# Altium PCB TempdevAmmy0803.PcbDoc (part 1 of 4) (continued)
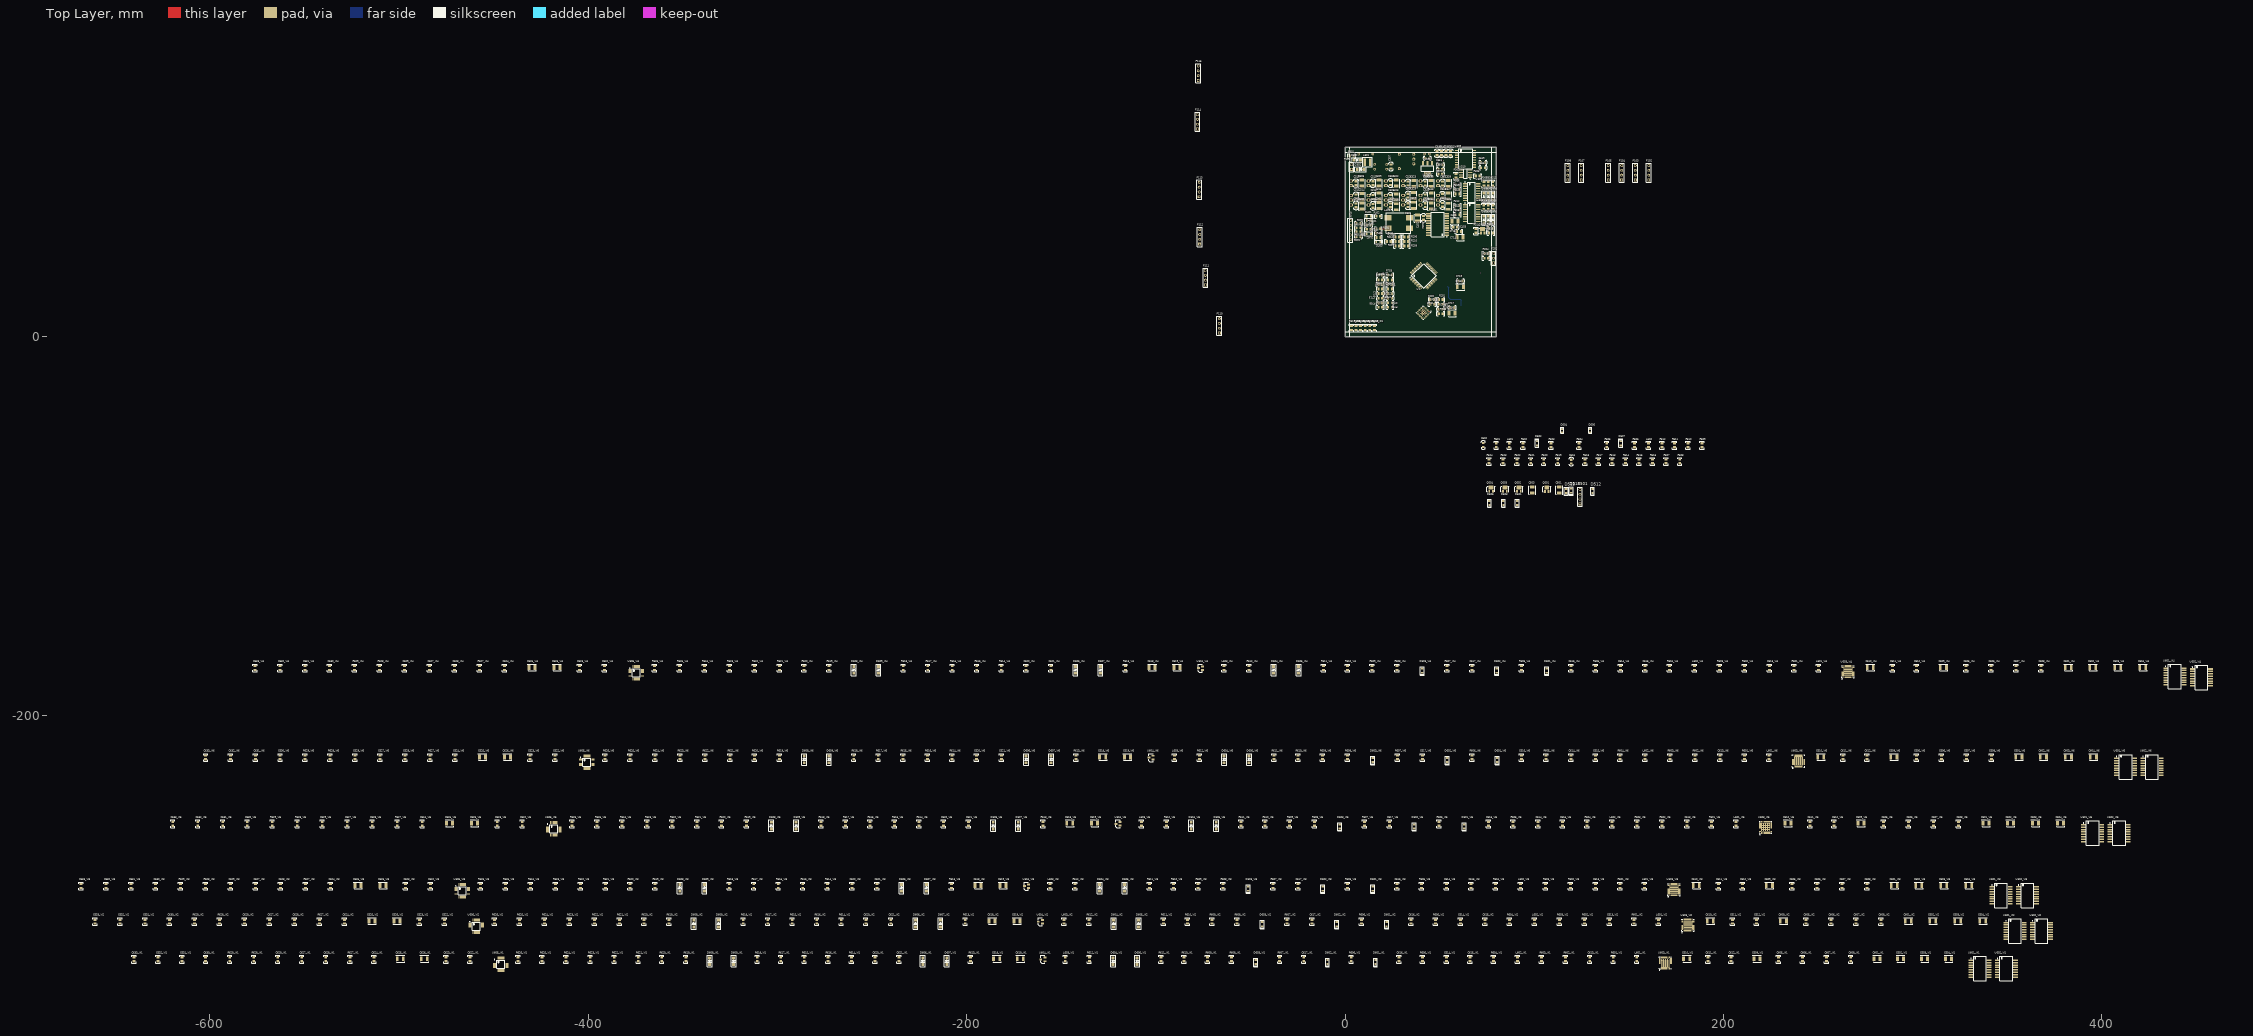
[diagram p0: Top Layer view]
## Components (designator, comment, footprint, x,y, rotation, side; value= is the part's Value field where it differs from the comment) (continued)
C609_VI1 "T494B476K025ATAUTO" CB 216.027,-328.803 r90 top value=47uF (schematic designator C609)
C609_VI2 "T494B476K025ATAUTO" CB 229.997,-308.864 r90 top value=47uF (schematic designator C609)
C609_VI3 "T494B476K025ATAUTO" CB 222.606,-290.068 r90 top value=47uF (schematic designator C609)
C609_VI4 "T494B476K025ATAUTO" CB 314.554,-174.879 r90 top value=47uF (schematic designator C609)
C609_VI5 "T494B476K025ATAUTO" CB 271.018,-257.175 r90 top value=47uF (schematic designator C609)
C609_VI6 "T494B476K025ATAUTO" CB 288.417,-222.123 r90 top value=47uF (schematic designator C609)
C610_VI1 "T494B476K025ATAUTO" CB 178.943,-328.803 r90 top value=47uF (schematic designator C610)
C610_VI2 "T494B476K025ATAUTO" CB 191.389,-308.864 r90 top value=47uF (schematic designator C610)
C610_VI3 "T494B476K025ATAUTO" CB 183.998,-290.068 r90 top value=47uF (schematic designator C610)
C610_VI4 "T494B476K025ATAUTO" CB 275.946,-174.879 r90 top value=47uF (schematic designator C610)
C610_VI5 "T494B476K025ATAUTO" CB 232.41,-257.175 r90 top value=47uF (schematic designator C610)
C610_VI6 "T494B476K025ATAUTO" CB 249.809,-222.123 r90 top value=47uF (schematic designator C610)
C611_VI1 "CC0805MRX7R9BB104" 0805c#2 191.77,-330.073 r90 top value=0.1uF (schematic designator C611)
C611_VI2 "CC0805MRX7R9BB104" 0805c#2 204.724,-310.134 r90 top value=0.1uF (schematic designator C611)
C611_VI3 "CC0805MRX7R9BB104" 0805c#2 197.333,-291.338 r90 top value=0.1uF (schematic designator C611)
C611_VI4 "CC0805MRX7R9BB104" 0805c#2 289.281,-176.149 r90 top value=0.1uF (schematic designator C611)
C611_VI5 "CC0805MRX7R9BB104" 0805c#2 245.745,-258.445 r90 top value=0.1uF (schematic designator C611)
C611_VI6 "CC0805MRX7R9BB104" 0805c#2 263.144,-223.393 r90 top value=0.1uF (schematic designator C611)
C612_VI1 "CC0805MRX7R9BB104" 0805c#2 203.962,-330.073 r90 top value=0.1uF (schematic designator C612)
C612_VI2 "CC0805MRX7R9BB104" 0805c#2 217.424,-310.134 r90 top value=0.1uF (schematic designator C612)
C612_VI3 "CC0805MRX7R9BB104" 0805c#2 210.033,-291.338 r90 top value=0.1uF (schematic designator C612)
C612_VI4 "CC0805MRX7R9BB104" 0805c#2 301.981,-176.149 r90 top value=0.1uF (schematic designator C612)
C612_VI5 "CC0805MRX7R9BB104" 0805c#2 258.445,-258.445 r90 top value=0.1uF (schematic designator C612)
C612_VI6 "CC0805MRX7R9BB104" 0805c#2 275.844,-223.393 r90 top value=0.1uF (schematic designator C612)
C613_VI1 "" 0805c#2 129.286,-330.073 r90 top value=2.2uF (schematic designator C613)
C613_VI2 "" 0805c#2 139.7,-310.134 r90 top value=2.2uF (schematic designator C613)
C613_VI3 "" 0805c#2 132.309,-291.338 r90 top value=2.2uF (schematic designator C613)
C613_VI4 "" 0805c#2 224.257,-176.149 r90 top value=2.2uF (schematic designator C613)
C613_VI5 "" 0805c#2 180.721,-258.445 r90 top value=2.2uF (schematic designator C613)
C613_VI6 "" 0805c#2 198.12,-223.393 r90 top value=2.2uF (schematic designator C613)
C614_VI1 "" 0805c#2 53.594,-330.073 r90 top value=22nF (schematic designator C614)
C614_VI2 "" 0805c#2 60.96,-310.134 r90 top value=22nF (schematic designator C614)
C614_VI3 "" 0805c#2 53.569,-291.338 r90 top value=22nF (schematic designator C614)
C614_VI4 "" 0805c#2 145.517,-176.149 r90 top value=22nF (schematic designator C614)
C614_VI5 "" 0805c#2 101.981,-258.445 r90 top value=22nF (schematic designator C614)
C614_VI6 "" 0805c#2 119.38,-223.393 r90 top value=22nF (schematic designator C614)
C615_VI1 "" 0805c#2 66.04,-330.073 r90 top value=2.2uF (schematic designator C615)
C615_VI2 "" 0805c#2 73.914,-310.134 r90 top value=2.2uF (schematic designator C615)
C615_VI3 "" 0805c#2 66.523,-291.338 r90 top value=2.2uF (schematic designator C615)
C615_VI4 "" 0805c#2 158.471,-176.149 r90 top value=2.2uF (schematic designator C615)
C615_VI5 "" 0805c#2 114.935,-258.445 r90 top value=2.2uF (schematic designator C615)
C615_VI6 "" 0805c#2 132.334,-223.393 r90 top value=2.2uF (schematic designator C615)
C616_VI1 "" 0805c#2 28.448,-330.073 r90 top value=NC (schematic designator C616)
C616_VI2 "" 0805c#2 34.798,-310.134 r90 top value=NC (schematic designator C616)
C616_VI3 "" 0805c#2 27.407,-291.338 r90 top value=NC (schematic designator C616)
C616_VI4 "" 0805c#2 119.355,-176.149 r90 top value=NC (schematic designator C616)
C616_VI5 "" 0805c#2 75.819,-258.445 r90 top value=NC (schematic designator C616)
C616_VI6 "" 0805c#2 93.218,-223.393 r90 top value=NC (schematic designator C616)
C617_VI1 "" 0805c#2 -21.844,-330.073 r90 top value=4nF (schematic designator C617)
C617_VI2 "" 0805c#2 -17.526,-310.134 r90 top value=4nF (schematic designator C617)
C617_VI3 "" 0805c#2 -24.917,-291.338 r90 top value=4nF (schematic designator C617)
C617_VI4 "" 0805c#2 67.031,-176.149 r90 top value=4nF (schematic designator C617)
C617_VI5 "" 0805c#2 23.495,-258.445 r90 top value=4nF (schematic designator C617)
C617_VI6 "" 0805c#2 40.894,-223.393 r90 top value=4nF (schematic designator C617)
C618_VI1 "T494B106M006AHAUTO" CB -185.674,-328.803 r90 top value=10uF (schematic designator C618)
C618_VI2 "T494B106M006AHAUTO" CB -188.087,-308.864 r90 top value=10uF (schematic designator C618)
C618_VI3 "T494B106M006AHAUTO" CB -195.478,-290.068 r90 top value=10uF (schematic designator C618)
C618_VI4 "T494B106M006AHAUTO" CB -103.53,-174.879 r90 top value=10uF (schematic designator C618)
C618_VI5 "T494B106M006AHAUTO" CB -147.066,-257.175 r90 top value=10uF (schematic designator C618)
C618_VI6 "T494B106M006AHAUTO" CB -129.667,-222.123 r90 top value=10uF (schematic designator C618)
C619_VI1 "T494B106M006AHAUTO" CB -173.228,-328.803 r90 top value=10uF (schematic designator C619)
C619_VI2 "T494B106M006AHAUTO" CB -175.006,-308.864 r90 top value=10uF (schematic designator C619)
C619_VI3 "T494B106M006AHAUTO" CB -182.397,-290.068 r90 top value=10uF (schematic designator C619)
C619_VI4 "T494B106M006AHAUTO" CB -90.449,-174.879 r90 top value=10uF (schematic designator C619)
C619_VI5 "T494B106M006AHAUTO" CB -133.985,-257.175 r90 top value=10uF (schematic designator C619)
C619_VI6 "T494B106M006AHAUTO" CB -116.586,-222.123 r90 top value=10uF (schematic designator C619)
C620_VI1 "CC0805MRX7R9BB104" 0805c#2 -248.412,-330.073 r90 top value=0.1uF (schematic designator C620)
C620_VI2 "CC0805MRX7R9BB104" 0805c#2 -253.238,-310.134 r90 top value=0.1uF (schematic designator C620)
C620_VI3 "CC0805MRX7R9BB104" 0805c#2 -260.629,-291.338 r90 top value=0.1uF (schematic designator C620)
C620_VI4 "CC0805MRX7R9BB104" 0805c#2 -168.681,-176.149 r90 top value=0.1uF (schematic designator C620)
C620_VI5 "CC0805MRX7R9BB104" 0805c#2 -212.217,-258.445 r90 top value=0.1uF (schematic designator C620)
C620_VI6 "CC0805MRX7R9BB104" 0805c#2 -194.818,-223.393 r90 top value=0.1uF (schematic designator C620)
C621_VI1 "CC0805MRX7R9BB104" 0805c#2 -235.712,-330.073 r90 top value=0.1uF (schematic designator C621)
C621_VI2 "CC0805MRX7R9BB104" 0805c#2 -240.03,-310.134 r90 top value=0.1uF (schematic designator C621)
C621_VI3 "CC0805MRX7R9BB104" 0805c#2 -247.421,-291.338 r90 top value=0.1uF (schematic designator C621)
C621_VI4 "CC0805MRX7R9BB104" 0805c#2 -155.473,-176.149 r90 top value=0.1uF (schematic designator C621)
C621_VI5 "CC0805MRX7R9BB104" 0805c#2 -199.009,-258.445 r90 top value=0.1uF (schematic designator C621)
C621_VI6 "CC0805MRX7R9BB104" 0805c#2 -181.61,-223.393 r90 top value=0.1uF (schematic designator C621)
C622_VI1 "" 0805c#2 -462.407,-330.073 r90 top value=NC (schematic designator C622)
C622_VI2 "" 0805c#2 -475.869,-310.134 r90 top value=NC (schematic designator C622)
C622_VI3 "" 0805c#2 -483.26,-291.338 r90 top value=NC (schematic designator C622)
C622_VI4 "" 0805c#2 -391.312,-176.149 r90 top value=NC (schematic designator C622)
C622_VI5 "" 0805c#2 -434.848,-258.445 r90 top value=NC (schematic designator C622)
C622_VI6 "" 0805c#2 -417.449,-223.393 r90 top value=NC (schematic designator C622)
C623_VI1 "" 0805c#2 -475.107,-330.073 r90 top value=NC (schematic designator C623)
C623_VI2 "" 0805c#2 -489.077,-310.134 r90 top value=NC (schematic designator C623)
C623_VI3 "" 0805c#2 -496.468,-291.338 r90 top value=NC (schematic designator C623)
C623_VI4 "" 0805c#2 -404.52,-176.149 r90 top value=NC (schematic designator C623)
C623_VI5 "" 0805c#2 -448.056,-258.445 r90 top value=NC (schematic designator C623)
C623_VI6 "" 0805c#2 -430.657,-223.393 r90 top value=NC (schematic designator C623)
C624_VI1 "" 0805c#2 -513.207,-330.073 r90 top value=300pF (schematic designator C624)
C624_VI2 "" 0805c#2 -528.701,-310.134 r90 top value=300pF (schematic designator C624)
C624_VI3 "" 0805c#2 -536.092,-291.338 r90 top value=300pF (schematic designator C624)
C624_VI4 "" 0805c#2 -444.144,-176.149 r90 top value=300pF (schematic designator C624)
C624_VI5 "" 0805c#2 -487.68,-258.445 r90 top value=300pF (schematic designator C624)
C624_VI6 "" 0805c#2 -470.281,-223.393 r90 top value=300pF (schematic designator C624)
C625_VI1 "T494B106M006AHAUTO" CB -500.888,-328.803 r90 top value=10uF (schematic designator C625)
C625_VI2 "T494B106M006AHAUTO" CB -515.874,-308.864 r90 top value=10uF (schematic designator C625)
C625_VI3 "T494B106M006AHAUTO" CB -523.265,-290.068 r90 top value=10uF (schematic designator C625)
C625_VI4 "T494B106M006AHAUTO" CB -431.317,-174.879 r90 top value=10uF (schematic designator C625)
C625_VI5 "T494B106M006AHAUTO" CB -474.853,-257.175 r90 top value=10uF (schematic designator C625)
C625_VI6 "T494B106M006AHAUTO" CB -457.454,-222.123 r90 top value=10uF (schematic designator C625)
C626_VI1 "T494B106M006AHAUTO" CB -488.188,-328.803 r90 top value=10uF (schematic designator C626)
C626_VI2 "T494B106M006AHAUTO" CB -502.666,-308.864 r90 top value=10uF (schematic designator C626)
C626_VI3 "T494B106M006AHAUTO" CB -510.057,-290.068 r90 top value=10uF (schematic designator C626)
C626_VI4 "T494B106M006AHAUTO" CB -418.109,-174.879 r90 top value=10uF (schematic designator C626)
C626_VI5 "T494B106M006AHAUTO" CB -461.645,-257.175 r90 top value=10uF (schematic designator C626)
C626_VI6 "T494B106M006AHAUTO" CB -444.246,-222.123 r90 top value=10uF (schematic designator C626)
C627_VI1 "CC0805MRX7R9BB104" 0805c#2 -551.307,-330.073 r90 top value=0.1uF (schematic designator C627)
C627_VI2 "CC0805MRX7R9BB104" 0805c#2 -568.325,-310.134 r90 top value=0.1uF (schematic designator C627)
C627_VI3 "CC0805MRX7R9BB104" 0805c#2 -575.716,-291.338 r90 top value=0.1uF (schematic designator C627)
C627_VI4 "CC0805MRX7R9BB104" 0805c#2 -483.768,-176.149 r90 top value=0.1uF (schematic designator C627)
C627_VI5 "CC0805MRX7R9BB104" 0805c#2 -527.304,-258.445 r90 top value=0.1uF (schematic designator C627)
C627_VI6 "CC0805MRX7R9BB104" 0805c#2 -509.905,-223.393 r90 top value=0.1uF (schematic designator C627)
C628_VI1 "CC0805MRX7R9BB104" 0805c#2 -538.607,-330.073 r90 top value=0.1uF (schematic designator C628)
C628_VI2 "CC0805MRX7R9BB104" 0805c#2 -555.117,-310.134 r90 top value=0.1uF (schematic designator C628)
C628_VI3 "CC0805MRX7R9BB104" 0805c#2 -562.508,-291.338 r90 top value=0.1uF (schematic designator C628)
C628_VI4 "CC0805MRX7R9BB104" 0805c#2 -470.56,-176.149 r90 top value=0.1uF (schematic designator C628)
C628_VI5 "CC0805MRX7R9BB104" 0805c#2 -514.096,-258.445 r90 top value=0.1uF (schematic designator C628)
C628_VI6 "CC0805MRX7R9BB104" 0805c#2 -496.697,-223.393 r90 top value=0.1uF (schematic designator C628)
C629_VI1 "" 0805c#2 -564.007,-330.073 r90 top value=150pF (schematic designator C629)
C629_VI2 "" 0805c#2 -581.533,-310.134 r90 top value=150pF (schematic designator C629)
C629_VI3 "" 0805c#2 -588.924,-291.338 r90 top value=150pF (schematic designator C629)
C629_VI4 "" 0805c#2 -496.976,-176.149 r90 top value=150pF (schematic designator C629)
C629_VI5 "" 0805c#2 -540.512,-258.445 r90 top value=150pF (schematic designator C629)
C629_VI6 "" 0805c#2 -523.113,-223.393 r90 top value=150pF (schematic designator C629)
C630_VI1 "" 0805c#2 -602.107,-330.073 r90 top value=1uF (schematic designator C630)
C630_VI2 "" 0805c#2 -621.157,-310.134 r90 top value=1uF (schematic designator C630)
C630_VI3 "" 0805c#2 -628.548,-291.338 r90 top value=1uF (schematic designator C630)
C630_VI4 "" 0805c#2 -536.6,-176.149 r90 top value=1uF (schematic designator C630)
C630_VI5 "" 0805c#2 -580.136,-258.445 r90 top value=1uF (schematic designator C630)
C630_VI6 "" 0805c#2 -562.737,-223.393 r90 top value=1uF (schematic designator C630)
C631_VI1 "" 0805c#2 -614.553,-330.073 r90 top value=4700pF (schematic designator C631)
C631_VI2 "" 0805c#2 -634.111,-310.134 r90 top value=4700pF (schematic designator C631)
C631_VI3 "" 0805c#2 -641.502,-291.338 r90 top value=4700pF (schematic designator C631)
C631_VI4 "" 0805c#2 -549.554,-176.149 r90 top value=4700pF (schematic designator C631)
C631_VI5 "" 0805c#2 -593.09,-258.445 r90 top value=4700pF (schematic designator C631)
C631_VI6 "" 0805c#2 -575.691,-223.393 r90 top value=4700pF (schematic designator C631)
C632_VI1 "" 0805c#2 -627.253,-330.073 r90 top value=1uF (schematic designator C632)
C632_VI2 "" 0805c#2 -647.319,-310.134 r90 top value=1uF (schematic designator C632)
C632_VI3 "" 0805c#2 -654.71,-291.338 r90 top value=1uF (schematic designator C632)
C632_VI4 "" 0805c#2 -562.762,-176.149 r90 top value=1uF (schematic designator C632)
C632_VI5 "" 0805c#2 -606.298,-258.445 r90 top value=1uF (schematic designator C632)
C632_VI6 "" 0805c#2 -588.899,-223.393 r90 top value=1uF (schematic designator C632)
C633_VI1 "" 0805c#2 -639.953,-330.073 r90 top value=22nF (schematic designator C633)
C633_VI2 "" 0805c#2 -660.527,-310.134 r90 top value=22nF (schematic designator C633)
C633_VI3 "" 0805c#2 -667.918,-291.338 r90 top value=22nF (schematic designator C633)
C633_VI4 "" 0805c#2 -575.97,-176.149 r90 top value=22nF (schematic designator C633)
C633_VI5 "" 0805c#2 -619.506,-258.445 r90 top value=22nF (schematic designator C633)
C633_VI6 "" 0805c#2 -602.107,-223.393 r90 top value=22nF (schematic designator C633)
C701 "T494B106M006AHAUTO" CB 72.771,45.466 r0 bottom value=10uF
C702 "T494B106M006AHAUTO" CB 72.771,43.053 r180 bottom value=10uF
C703 "CC0805MRX7R9BB104" 0805c#1 69.596,48.641 r90 bottom value=0.1uF
C704 "CC0805MRX7R9BB104" 0805c#1 69.596,40.005 r270 bottom value=0.1uF
C705 "CC0805MRX7R9BB103" 0805c#1 18.653,32.512 r0 top value=0.01uF
C706 "CC0805MRX7R9BB104" 0805c#1 23.749,27.559 r180 top value=0.1uF
C707 "CC0805MRX7R9BB103" 0805c#1 18.669,29.972 r0 top value=0.01uF
C708 "CC0805MRX7R9BB104" 0805c#1 50.546,14.478 r180 top value=0.1uF
C709 "CC0805MRX7R9BB104" 0805c#1 23.749,22.733 r0 top value=0.1uF
C710 "CC0805MRX7R9BB104" 0805c#1 18.669,22.733 r180 top value=0.1uF
C711 "CC0805MRX7R9BB103" 0805c#1 23.765,17.907 r180 top value=0.01uF
C712 "CC0805MRX7R9BB104" 0805c#1 23.749,20.32 r180 top value=0.1uF
C713 "CC0805MRX7R9BB103" 0805c#1 18.669,20.32 r180 top value=0.01uF
C714 "T494B106M006AHAUTO" CB 59.182,52.451 r90 top value=10uF
C715 "CC0805MRX7R9BB104" 0805C#2 59.182,55.499 r0 top value=0.1uF
C716 "T494B106M006AHAUTO" CB 54.991,12.319 r90 top value=10uF
C717 "CC0805MRX7R9BB104" 0805c#1 56.642,15.367 r0 top value=0.1uF
C718 "T494B106M006AHAUTO" CB 59.309,26.289 r90 top value=10uF
C719 "CC0805MRX7R9BB104" 0805c#1 60.96,29.464 r0 top value=0.1uF
C801_SI1 "CC0805MRX7R9BB103" 0805c#1 -61.341,9.906 r0 bottom value=0.01uF (schematic designator C801)
C801_SI2 "CC0805MRX7R9BB103" 0805c#1 -68.469,32.639 r0 bottom value=0.01uF (schematic designator C801)
C801_SI3 "CC0805MRX7R9BB103" 0805c#1 -71.12,57.15 r0 bottom value=0.01uF (schematic designator C801)
C801_SI4 "CC0805MRX7R9BB103" 0805c#1 -72.263,81.534 r0 bottom value=0.01uF (schematic designator C801)
C801_SI5 "CC0805MRX7R9BB103" 0805c#1 -72.009,117.475 r0 bottom value=0.01uF (schematic designator C801)
C801_SI6 "CC0805MRX7R9BB103" 0805c#1 -73.406,143.256 r0 bottom value=0.01uF (schematic designator C801)
C802_SI1 "CC0805MRX7R9BB103" 0805c#1 -47.355,5.969 r180 bottom value=0.01uF (schematic designator C802)
C802_SI2 "CC0805MRX7R9BB103" 0805c#1 -54.356,31.877 r180 bottom value=0.01uF (schematic designator C802)
C802_SI3 "CC0805MRX7R9BB103" 0805c#1 -56.118,53.594 r180 bottom value=0.01uF (schematic designator C802)
C802_SI4 "CC0805MRX7R9BB103" 0805c#1 -56.753,78.613 r180 bottom value=0.01uF (schematic designator C802)
C802_SI5 "CC0805MRX7R9BB103" 0805c#1 -57.642,114.427 r180 bottom value=0.01uF (schematic designator C802)
C802_SI6 "CC0805MRX7R9BB103" 0805c#1 -58.785,140.081 r180 bottom value=0.01uF (schematic designator C802)
C803_SI1 "CC0805MRX7R9BB103" 0805c#1 -47.355,3.81 r0 bottom value=0.01uF (schematic designator C803)
C803_SI2 "CC0805MRX7R9BB103" 0805c#1 -54.356,29.464 r0 bottom value=0.01uF (schematic designator C803)
C803_SI3 "CC0805MRX7R9BB103" 0805c#1 -56.134,51.181 r0 bottom value=0.01uF (schematic designator C803)
C803_SI4 "CC0805MRX7R9BB103" 0805c#1 -56.769,76.327 r0 bottom value=0.01uF (schematic designator C803)
C803_SI5 "CC0805MRX7R9BB103" 0805c#1 -57.658,112.141 r0 bottom value=0.01uF (schematic designator C803)
C803_SI6 "CC0805MRX7R9BB103" 0805c#1 -58.801,137.795 r0 bottom value=0.01uF (schematic designator C803)
C804_SI1 "CC0805MRX7R9BB104" 0805c#1 -47.371,1.651 r0 bottom value=0.1uF (schematic designator C804)
C804_SI2 "CC0805MRX7R9BB104" 0805c#1 -54.356,27.178 r0 bottom value=0.1uF (schematic designator C804)
C804_SI3 "CC0805MRX7R9BB104" 0805c#1 -56.134,48.895 r0 bottom value=0.1uF (schematic designator C804)
C804_SI4 "CC0805MRX7R9BB104" 0805c#1 -56.769,74.041 r0 bottom value=0.1uF (schematic designator C804)
C804_SI5 "CC0805MRX7R9BB104" 0805c#1 -57.658,109.728 r0 bottom value=0.1uF (schematic designator C804)
C804_SI6 "CC0805MRX7R9BB104" 0805c#1 -58.801,135.509 r0 bottom value=0.1uF (schematic designator C804)
C805_SI1 "CC0805MRX7R9BB103" 0805c#1 -42.545,1.651 r0 bottom value=0.01uF (schematic designator C805)
C805_SI2 "CC0805MRX7R9BB103" 0805c#1 -49.276,27.178 r0 bottom value=0.01uF (schematic designator C805)
C805_SI3 "CC0805MRX7R9BB103" 0805c#1 -51.308,48.895 r0 bottom value=0.01uF (schematic designator C805)
C805_SI4 "CC0805MRX7R9BB103" 0805c#1 -51.943,74.041 r0 bottom value=0.01uF (schematic designator C805)
C805_SI5 "CC0805MRX7R9BB103" 0805c#1 -53.086,109.728 r0 bottom value=0.01uF (schematic designator C805)
C805_SI6 "CC0805MRX7R9BB103" 0805c#1 -53.975,135.509 r0 bottom value=0.01uF (schematic designator C805)
D201 "BAT54WS" SOD323 70.358,13.081 r0 bottom
D202 "BAT54WS" SOD323 70.358,10.795 r0 bottom
D203 "BAT54WS" SOD323 70.358,8.509 r0 bottom
D204 "BAT54WS" SOD323 70.358,1.651 r0 bottom
D205 "BAT54WS" SOD323 70.358,6.223 r0 bottom
D206 "BAT54WS" SOD323 70.358,3.937 r0 bottom
D301 "1N5819HW" sod123 4.572,93.345 r0 top
D302 "1N5819HW" sod123 6.477,88.392 r0 top
D303 "BAT41" SOD123 73.279,61.849 r270 top
D304 "BAT41" SOD123 75.692,61.849 r270 top
D305 "BAT41" SOD123 78.105,61.849 r270 top
D306 "BAT41" SOD123 73.406,74.041 r270 top
D307 "BAT41" SOD123 75.692,74.041 r270 top
D308 "BAT41" SOD123 77.978,74.041 r270 top
D401 "SD15CT1" SOD323 12.573,63.627 r180 top
D402 "SD15CT1" SOD323 12.573,54.356 r0 top
D403 "SD15CT1" SOD323 17.61,50.038 r180 top
D501 "SD15CT1" SOD323 91.059,-87.884 r90 top
D502 "BAT54WS" SOD323 101.473,-56.388 r270 top
D503 "SD15CT1" SOD323 83.693,-87.884 r90 top
D504 "BZX584C3V3" SOD523 114.808,-49.784 r270 top
D505 "BZX584C3V3" SOD523 129.54,-49.784 r270 top
D506 "SD15CT1" SOD323 76.327,-87.884 r90 top
D507 "BAT54WS" SOD323 145.669,-56.388 r270 top
D512 "BAT54WS" SOD323 130.81,-81.534 r90 top
D513 "BAT54WS" SOD323 116.84,-81.534 r90 top
D514 "BAT54WS" SOD323 119.507,-81.407 r90 top
D601_VI1 "SD15CT1" SOD323 16.129,-330.454 r90 top (schematic designator D601)
D601_VI2 "SD15CT1" SOD323 21.971,-310.515 r90 top (schematic designator D601)
D601_VI3 "SD15CT1" SOD323 14.58,-291.719 r90 top (schematic designator D601)
D601_VI4 "SD15CT1" SOD323 106.528,-176.53 r90 top (schematic designator D601)
D601_VI5 "SD15CT1" SOD323 62.992,-258.826 r90 top (schematic designator D601)
D601_VI6 "SD15CT1" SOD323 80.391,-223.774 r90 top (schematic designator D601)
D602_VI1 "SD15CT1" SOD323 -9.271,-330.454 r90 top (schematic designator D602)
D602_VI2 "SD15CT1" SOD323 -4.445,-310.515 r90 top (schematic designator D602)
D602_VI3 "SD15CT1" SOD323 -11.836,-291.719 r90 top (schematic designator D602)
D602_VI4 "SD15CT1" SOD323 80.112,-176.53 r90 top (schematic designator D602)
D602_VI5 "SD15CT1" SOD323 36.576,-258.826 r90 top (schematic designator D602)
D602_VI6 "SD15CT1" SOD323 53.975,-223.774 r90 top (schematic designator D602)
D603_VI1 "SD15CT1" SOD323 -47.117,-330.454 r90 top (schematic designator D603)
D603_VI2 "SD15CT1" SOD323 -43.815,-310.515 r90 top (schematic designator D603)
D603_VI3 "SD15CT1" SOD323 -51.206,-291.719 r90 top (schematic designator D603)
D603_VI4 "SD15CT1" SOD323 40.742,-176.53 r90 top (schematic designator D603)
D603_VI5 "SD15CT1" SOD323 -2.794,-258.826 r90 top (schematic designator D603)
D603_VI6 "SD15CT1" SOD323 14.605,-223.774 r90 top (schematic designator D603)
D604_VI1 "1N5819HW" sod123 -122.555,-331.851 r90 top (schematic designator D604)
D604_VI2 "1N5819HW" sod123 -122.301,-311.912 r90 top (schematic designator D604)
D604_VI3 "1N5819HW" sod123 -129.692,-293.116 r90 top (schematic designator D604)
D604_VI4 "1N5819HW" sod123 -37.744,-177.927 r90 top (schematic designator D604)
D604_VI5 "1N5819HW" sod123 -81.28,-260.223 r90 top (schematic designator D604)
D604_VI6 "1N5819HW" sod123 -63.881,-225.171 r90 top (schematic designator D604)
D605_VI1 "1N5819HW" sod123 -109.855,-331.851 r90 top (schematic designator D605)
D605_VI2 "1N5819HW" sod123 -109.093,-311.912 r90 top (schematic designator D605)
D605_VI3 "1N5819HW" sod123 -116.484,-293.116 r90 top (schematic designator D605)
D605_VI4 "1N5819HW" sod123 -24.536,-177.927 r90 top (schematic designator D605)
D605_VI5 "1N5819HW" sod123 -68.072,-260.223 r90 top (schematic designator D605)
D605_VI6 "1N5819HW" sod123 -50.673,-225.171 r90 top (schematic designator D605)
D606_VI1 "1N5819HW" sod123 -223.139,-331.851 r90 top (schematic designator D606)
D606_VI2 "1N5819HW" sod123 -226.949,-311.912 r90 top (schematic designator D606)
D606_VI3 "1N5819HW" sod123 -234.34,-293.116 r90 top (schematic designator D606)
D606_VI4 "1N5819HW" sod123 -142.392,-177.927 r90 top (schematic designator D606)
D606_VI5 "1N5819HW" sod123 -185.928,-260.223 r90 top (schematic designator D606)
D606_VI6 "1N5819HW" sod123 -168.529,-225.171 r90 top (schematic designator D606)
D607_VI1 "1N5819HW" sod123 -210.439,-331.851 r90 top (schematic designator D607)
D607_VI2 "1N5819HW" sod123 -213.741,-311.912 r90 top (schematic designator D607)
D607_VI3 "1N5819HW" sod123 -221.132,-293.116 r90 top (schematic designator D607)
D607_VI4 "1N5819HW" sod123 -129.184,-177.927 r90 top (schematic designator D607)
D607_VI5 "1N5819HW" sod123 -172.72,-260.223 r90 top (schematic designator D607)
D607_VI6 "1N5819HW" sod123 -155.321,-225.171 r90 top (schematic designator D607)
D608_VI1 "1N5819HW" sod123 -335.788,-331.851 r90 top (schematic designator D608)
D608_VI2 "1N5819HW" sod123 -344.17,-311.912 r90 top (schematic designator D608)
D608_VI3 "1N5819HW" sod123 -351.561,-293.116 r90 top (schematic designator D608)
D608_VI4 "1N5819HW" sod123 -259.613,-177.927 r90 top (schematic designator D608)
D608_VI5 "1N5819HW" sod123 -303.149,-260.223 r90 top (schematic designator D608)
D608_VI6 "1N5819HW" sod123 -285.75,-225.171 r90 top (schematic designator D608)
D609_VI1 "1N5819HW" sod123 -323.088,-331.851 r90 top (schematic designator D609)
D609_VI2 "1N5819HW" sod123 -331.089,-311.912 r90 top (schematic designator D609)
D609_VI3 "1N5819HW" sod123 -338.48,-293.116 r90 top (schematic designator D609)
D609_VI4 "1N5819HW" sod123 -246.532,-177.927 r90 top (schematic designator D609)
D609_VI5 "1N5819HW" sod123 -290.068,-260.223 r90 top (schematic designator D609)
D609_VI6 "1N5819HW" sod123 -272.669,-225.171 r90 top (schematic designator D609)
D801_SI1 "SD03C" SOD323 -61.257,7.747 r180 bottom (schematic designator D801)
D801_SI2 "SD03C" SOD323 -68.496,34.925 r180 bottom (schematic designator D801)
D801_SI3 "SD03C" SOD323 -71.204,54.864 r180 bottom (schematic designator D801)
D801_SI4 "SD03C" SOD323 -72.179,79.248 r180 bottom (schematic designator D801)
D801_SI5 "SD03C" SOD323 -71.925,115.062 r180 bottom (schematic designator D801)
D801_SI6 "SD03C" SOD323 -73.322,140.97 r180 bottom (schematic designator D801)
D802_SI1 "SD03C" SOD323 -52.197,3.81 r180 bottom (schematic designator D802)
D802_SI2 "SD03C" SOD323 -59.098,29.464 r180 bottom (schematic designator D802)
D802_SI3 "SD03C" SOD323 -61.257,51.181 r180 bottom (schematic designator D802)
D802_SI4 "SD03C" SOD323 -61.892,76.327 r180 bottom (schematic designator D802)
D802_SI5 "SD03C" SOD323 -62.4,112.014 r180 bottom (schematic designator D802)
D802_SI6 "SD03C" SOD323 -63.797,137.795 r180 bottom (schematic designator D802)
D803_SI1 "SD03C" SOD323 -56.685,3.81 r0 bottom (schematic designator D803)
D803_SI2 "SD03C" SOD323 -63.67,29.464 r0 bottom (schematic designator D803)
D803_SI3 "SD03C" SOD323 -66.083,51.181 r0 bottom (schematic designator D803)
D803_SI4 "SD03C" SOD323 -67.226,76.327 r0 bottom (schematic designator D803)
D803_SI5 "SD03C" SOD323 -66.845,112.014 r0 bottom (schematic designator D803)
D803_SI6 "SD03C" SOD323 -68.369,137.795 r0 bottom (schematic designator D803)
D804_SI1 "SD03C" SOD323 -61.341,3.81 r0 bottom (schematic designator D804)
D804_SI2 "SD03C" SOD323 -68.537,29.464 r0 bottom (schematic designator D804)
D804_SI3 "SD03C" SOD323 -70.909,51.181 r0 bottom (schematic designator D804)
D804_SI4 "SD03C" SOD323 -72.093,76.327 r0 bottom (schematic designator D804)
D804_SI5 "SD03C" SOD323 -71.966,112.014 r0 bottom (schematic designator D804)
D804_SI6 "SD03C" SOD323 -73.195,137.795 r0 bottom (schematic designator D804)
Designator6 "Comment" FPC60 74.08,33.765 r270 bottom
Designator7 "Comment" FPC30 49.268,5.151 r180 bottom
Designator8 "Comment" FPC60 94.703,3.834 r90 bottom
F301 "Fuse 1" 0805r#1 2.54,95.377 r0 top
L301 "VLS4012HBX-150M" VSL4012 11.938,92.202 r90 top value=15uH
L401 "Common Inductor" ACM1513-改版 34.074,62.865 r180 top
L501 "VLS4012HBX-150M" 0805R#1 86.741,-57.404 r270 top value=47uH
L502 "VLS4012HBX-150M" 0805R#1 160.401,-57.404 r270 top value=47uH
L601_VI1 "VLS4012HBX-150M" 0805R#2 154.178,-330.073 r90 top value=47uH (schematic designator L601)
L601_VI2 "VLS4012HBX-150M" 0805R#2 165.608,-310.134 r90 top value=47uH (schematic designator L601)
L601_VI3 "VLS4012HBX-150M" 0805R#2 158.217,-291.338 r90 top value=47uH (schematic designator L601)
L601_VI4 "VLS4012HBX-150M" 0805R#2 250.165,-176.149 r90 top value=47uH (schematic designator L601)
L601_VI5 "VLS4012HBX-150M" 0805R#2 206.629,-258.445 r90 top value=47uH (schematic designator L601)
L601_VI6 "VLS4012HBX-150M" 0805R#2 224.028,-223.393 r90 top value=47uH (schematic designator L601)
L602_VI1 "VLS4012HBX-150M" 0805R#2 91.186,-330.073 r90 top value=47uH (schematic designator L602)
L602_VI2 "VLS4012HBX-150M" 0805R#2 100.076,-310.134 r90 top value=47uH (schematic designator L602)
L602_VI3 "VLS4012HBX-150M" 0805R#2 92.685,-291.338 r90 top value=47uH (schematic designator L602)
L602_VI4 "VLS4012HBX-150M" 0805R#2 184.633,-176.149 r90 top value=47uH (schematic designator L602)
L602_VI5 "VLS4012HBX-150M" 0805R#2 141.097,-258.445 r90 top value=47uH (schematic designator L602)
L602_VI6 "VLS4012HBX-150M" 0805R#2 158.496,-223.393 r90 top value=47uH (schematic designator L602)
L603_VI1 "VLS4012HBX-150M" 0805R#2 -147.828,-330.073 r90 top value=47uH (schematic designator L603)
L603_VI2 "VLS4012HBX-150M" 0805R#2 -148.59,-310.134 r90 top value=47uH (schematic designator L603)
L603_VI3 "VLS4012HBX-150M" 0805R#2 -155.981,-291.338 r90 top value=47uH (schematic designator L603)
L603_VI4 "VLS4012HBX-150M" 0805R#2 -64.033,-176.149 r90 top value=47uH (schematic designator L603)
L603_VI5 "VLS4012HBX-150M" 0805R#2 -107.569,-258.445 r90 top value=47uH (schematic designator L603)
L603_VI6 "VLS4012HBX-150M" 0805R#2 -90.17,-223.393 r90 top value=47uH (schematic designator L603)
L701 "VLS4012HBX-150M" 0805r#2 69.596,44.323 r270 bottom value=47uH
L702 "VLS4012HBX-150M" 0805r#2 75.946,44.196 r270 bottom value=47uH
MOV401 "" 0805r#2 7.128,57.531 r180 top
MOV402 "" 0805r#2 7.128,55.245 r180 top
NTC701 "NTCS0805E3103JHT" 0805r#2 23.765,25.146 r180 top
P101 "Header 2" HDR1X2 3.429,88.392 r90 top
P102 "Header 4" HDR1X4 160.528,82.804 r90 top
P103 "Header 4" HDR1X4 153.416,82.804 r90 top
P104 "Header 4" HDR1X4 146.177,82.804 r90 top
P105 "Header 4" HDR1X4 139.065,82.804 r90 top
P106 "Header 5" HDR1X5 2.794,61.341 r270 top
P107 "Header 4" HDR1X4 124.841,82.804 r90 top
P108 "Header 4" HDR1X4 117.729,82.804 r90 top
P110 "Header 4" HDR1X4 -66.421,1.905 r90 top
P111 "Header 4" HDR1X4 -73.787,27.305 r90 top
P112 "Header 4" HDR1X4 -76.835,48.895 r90 top
P113 "Header 4" HDR1X4 -77.089,73.914 r90 top
P114 "Header 4" HDR1X4 -77.978,109.728 r90 top
P115 "Header 4" HDR1X4 -77.597,135.382 r90 top
P201 "Header 3" HDR1X3 78.486,38.862 r90 top
P501 "Header 4" HDR1X4 124.206,-88.392 r90 top
PTC401 "NTCS0805E3103JHT" 0805r#2 12.573,59.055 r0 top
PTC402 "NTCS0805E3103JHT" 0805r#2 17.669,54.61 r180 top
Q301 "MMSS8050" SOT-23-BJT 71.76,54.737 r0 top
Q501 "MMSS8050" SOT-23-BJT 105.664,-81.788 r0 top
Q502 "MMSS8050" SOT-23-BJT 90.932,-81.788 r0 top
Q503 "MMSS8050" SOT-23-BJT 83.566,-81.788 r0 top
Q504 "MMSS8050" SOT-23-BJT 76.2,-81.788 r0 top
Q801_SI1 "MMSS8550" SOT-23-BJT -46.228,10.729 r270 bottom (schematic designator Q801)
Q801_SI2 "MMSS8550" SOT-23-BJT -53.34,36.19 r270 bottom (schematic designator Q801)
Q801_SI3 "MMSS8550" SOT-23-BJT -54.864,57.973 r270 bottom (schematic designator Q801)
Q801_SI4 "MMSS8550" SOT-23-BJT -55.626,83.246 r270 bottom (schematic designator Q801)
Q801_SI5 "MMSS8550" SOT-23-BJT -56.515,118.806 r270 bottom (schematic designator Q801)
Q801_SI6 "MMSS8550" SOT-23-BJT -57.658,144.46 r270 bottom (schematic designator Q801)